# Allegro board TNR_REV00_150306.brd (continued)
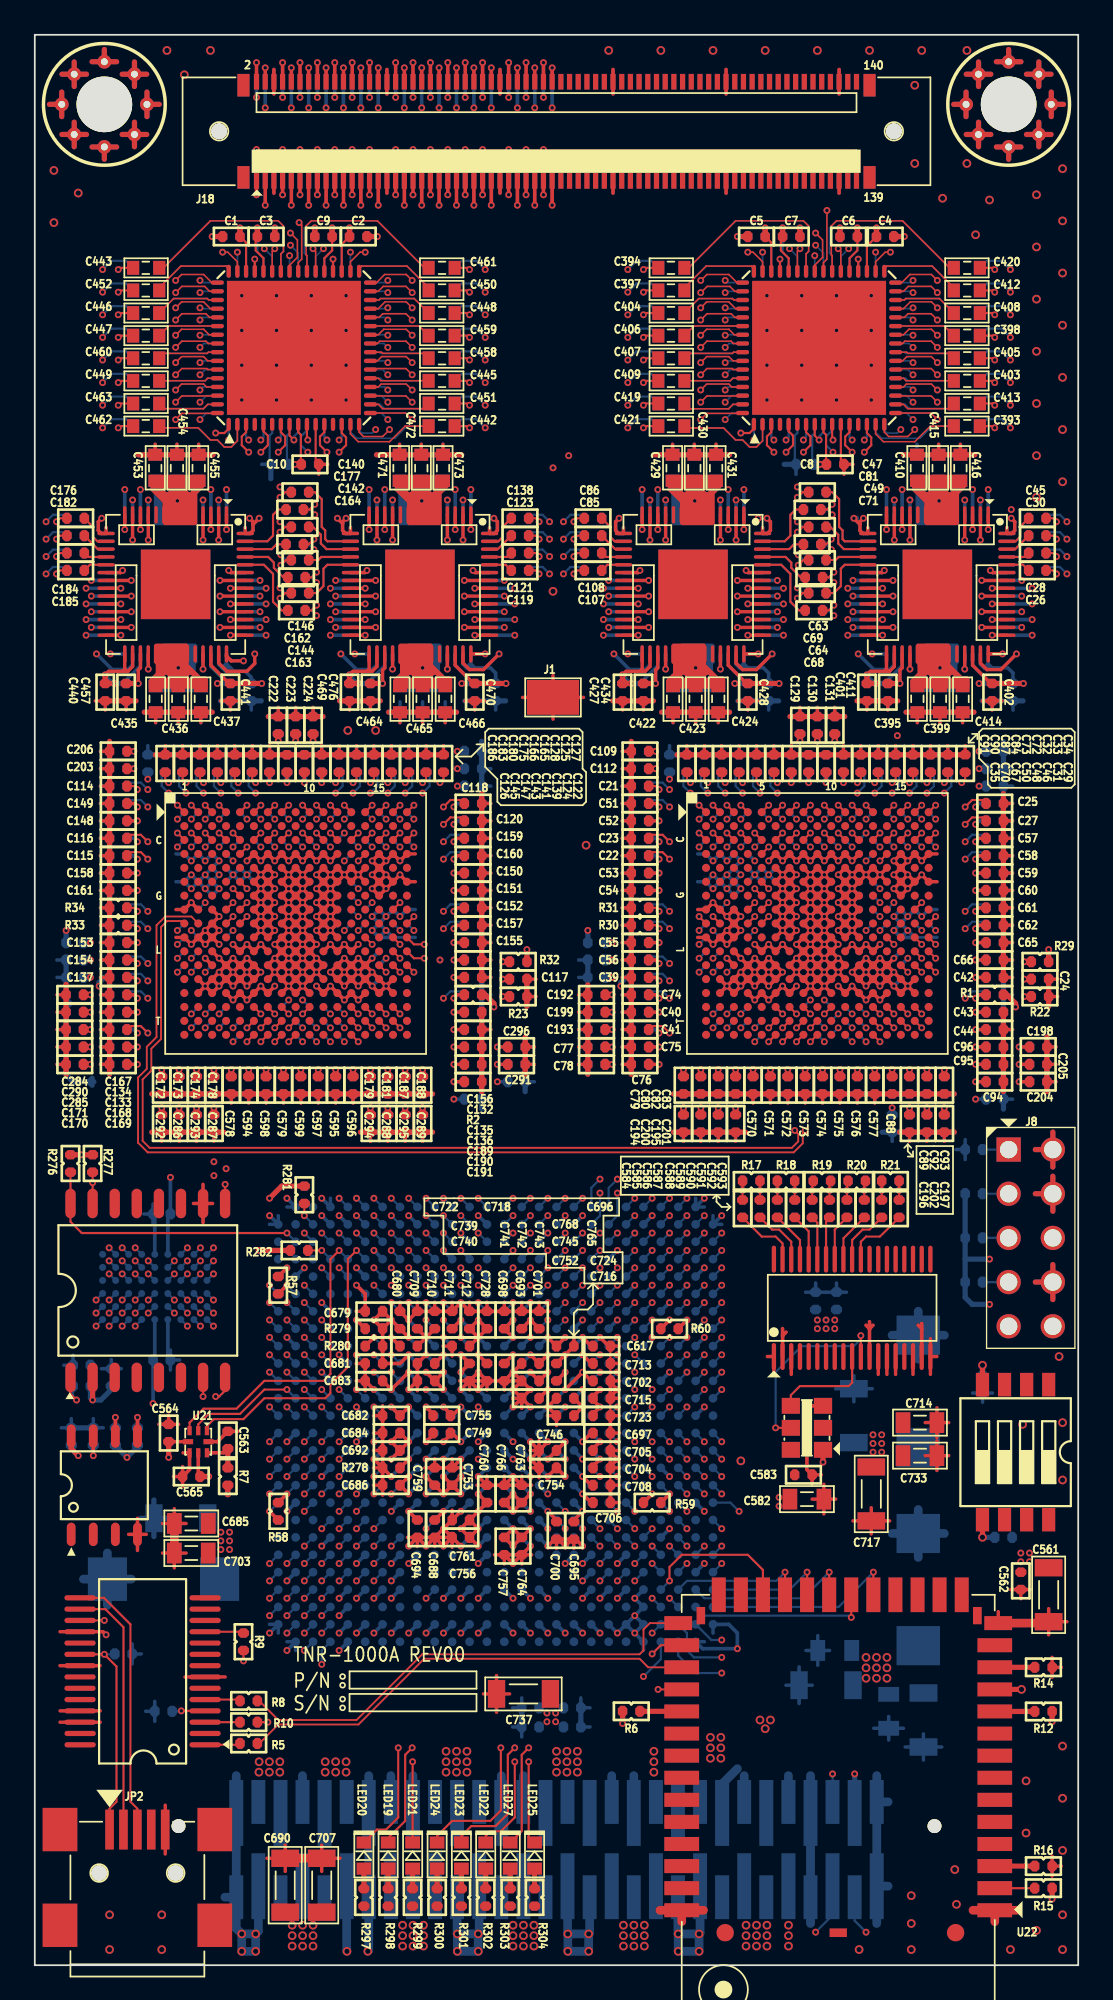
[diagram p0: board, top side]
## Routing (per net, layer and track width the routed paths; a pad name or vN(x,y) marks a point on that pad's centre or on a via; arc(x,y) is an arc through that point) (continued)
  BOTTOM w0.125: U88.W6 v1(34.5,25.1)
  BOTTOM w0.21: U19.28 v1(43.05,76.47)
HV8_CK: length 63.2
  6-IN w0.095: v1(33.5,25.1) 34,25.6 34,38.2 33.6,38.6 33.4,38.6 33.1,38.9 33.1,42.4 33.95,43.25 33.95,46.95 34.9,47.9 34.9,69.7 36.5,71.3 44.05,71.3 v1(48.15,75.4)
  BOTTOM w0.125: U88.W7 v1(33.5,25.1)
  BOTTOM w0.2: U20.42 v1(48.15,75.4)
HV8_CW: length 65.7
  6-IN w0.095: v1(32.5,25.1) 33,25.6 33,38.2 32.6,38.6 32.4,38.6 32,39 32,42.3 32.9,43.2 32.9,46.7 34.33,48.13 34.33,69.93 36.27,71.87 43.82,71.87 v1(47.35,75.4)
  BOTTOM w0.125: U88.W8 v1(32.5,25.1)
  BOTTOM w0.2: v1(47.35,75.4) 48.25,74.5 49.15,74.5 49.42,74.78 U20.41
HV8_IN1_0: length 89.7
  11-IN w0.095: v1(31.5,25.1) 33,26.6 41.9,26.6 42.6,27.3 47.52,27.3 51.5,31.28 51.5,45.78 55.02,49.3 56.42,49.3 57.3,50.18 57.3,75.24 55.7,76.84 55.7,80.1 55.23,80.57 52.17,80.57 50.4,78.8 50.4,76.8 49.4,75.8 47.41,75.8 46.74,76.47 v1(46.75,76.47)
  BOTTOM w0.125: U88.W9 v1(31.5,25.1)
  BOTTOM w0.21: U20.43 v1(46.75,76.47)
HV8_IN1_1: length 91.2
  11-IN w0.095: v1(47.05,76.92) 47.88,76.1 49.3,76.1 50.2,77 50.2,78.88 52.08,80.77 55.32,80.77 55.9,80.18 55.9,76.92 57.5,75.32 57.5,50.1 56.5,49.1 55.1,49.1 51.8,45.8 51.8,31.2 46.4,25.8 41,25.8 40.9,25.7 32.5,25.7 32,25.2 32,25 31.6,24.6 31,24.6 v1(30.5,25.1)
  BOTTOM w0.125: U88.W10 v1(30.5,25.1)
  BOTTOM w0.21: 47.9,76.92 v1(47.05,76.92)
HV8_IN2_0: length 84.5
  11-IN w0.095: v1(46.75,77.38) 47.27,77.38 47.9,78 47.9,79.8 49.07,80.97 55.4,80.97 56.1,80.27 56.1,77.01 57.7,75.41 57.7,50.01 56.59,48.9 55.19,48.9 52.1,45.81 52.1,31.11 46.49,25.5 38.9,25.5 v1(37.5,24.1)
  BOTTOM w0.125: U88.Y3 v1(37.5,24.1)
  BOTTOM w0.21: U20.45 v1(46.75,77.38)
HV8_IN2_1: length 87.9
  11-IN w0.095: v1(35.5,25.1) 36,24.6 36,24 36.3,23.7 37.7,23.7 38,24 38,24.2 38.5,24.7 39.7,24.7 39.8,24.8 46.2,24.8 52.4,31 52.4,45.83 55.27,48.7 56.67,48.7 57.9,49.93 57.9,76.6 57.6,76.9 57.3,76.9 56.8,77.4 56.6,77.4 56.3,77.7 56.3,80.4 55.53,81.17 48.97,81.17 47.7,79.9 47.7,78.25 47.27,77.83 v1(47.05,77.83)
  BOTTOM w0.125: U88.Y5 v1(35.5,25.1)
  BOTTOM w0.21: U20.46 v1(47.05,77.83)
HV8_IN3_0: length 89.8
  11-IN w0.095: v1(34.5,24.1) 35.1,23.5 38.6,23.5 39,23.9 39,24.2 39.3,24.5 46.3,24.5 52.7,30.9 52.7,45.85 55.35,48.5 56.75,48.5 58.1,49.85 58.1,57.55 58.7,58.15 58.7,78.53 55.86,81.37 48.87,81.37 47.5,80 47.5,78.5 47.27,78.28 v1(46.75,78.28)
  BOTTOM w0.125: U88.Y6 v1(34.5,24.1)
  BOTTOM w0.21: U20.47 v1(46.75,78.28)
HV8_IN3_1: length 96.9
  11-IN w0.095: v1(47.05,78.72) 46.67,78.72 46.35,79.05 46.35,80.85 48.7,83.2 55.03,83.2 59.3,78.93 59.3,57.9 58.7,57.3 58.7,49.6 57,47.9 55.6,47.9 53.6,45.9 53.6,30.6 46.1,23.1 40.5,23.1 39.9,22.5 33.5,22.5 33,23 33,23.6 v1(33.5,24.1)
  BOTTOM w0.125: U88.Y7 v1(33.5,24.1)
  BOTTOM w0.21: 47.9,78.72 v1(47.05,78.72)
HV8_IN4_0: length 95.8
  11-IN w0.095: v1(46.75,79.17) 46.6,79.33 46.6,80.7 48.9,83 54.93,83 59.1,78.83 59.1,57.98 58.5,57.38 58.5,49.68 56.92,48.1 55.52,48.1 53.3,45.88 53.3,30.7 46,23.4 40.42,23.4 39.72,22.7 34.3,22.7 34,23 34,24.3 33.7,24.6 33,24.6 v1(32.5,24.1)
  BOTTOM w0.125: U88.Y8 v1(32.5,24.1)
  BOTTOM w0.21: U20.49 v1(46.75,79.17)
HV8_IN4_1: length 83
  11-IN w0.095: v1(47.05,79.62) 47.05,79.92 48.69,81.57 55.96,81.57 58.9,78.63 58.9,58.07 58.3,57.47 58.3,49.77 56.83,48.3 55.43,48.3 53,45.87 53,30.8 46.3,24.1 v1(39.5,24.1)
  BOTTOM w0.125: U88.AA1 v1(39.5,24.1)
  BOTTOM w0.21: U20.50 v1(47.05,79.62)
HV8_IN5_0: length 70.4
  4-IN w0.095: v1(56.75,79.62) 56.73,79.62 56.3,79.2 56.3,76.8 57.4,75.7 57.4,73.5 56.3,72.4 56.3,60.61 55,59.31 55,49.31 51.1,45.41 51.1,28.51 47.09,24.5 38.9,24.5 v1(38.5,24.1)
  BOTTOM w0.125: U88.AA2 v1(38.5,24.1)
  BOTTOM w0.21: U20.21 v1(56.75,79.62)
HV8_IN5_1: length 74.6
  4-IN w0.095: v1(57.35,79.17) 57.35,79.75 57.1,80 56.4,80 56.1,79.7 56.1,76.72 57.1,75.72 57.1,74.58 56.1,73.58 56.1,60.7 54.8,59.4 54.8,49.4 50.9,45.5 50.9,28.6 47,24.7 37.1,24.7 v1(36.5,24.1)
  BOTTOM w0.125: U88.AA3 v1(36.5,24.1)
  BOTTOM w0.21: U20.22 v1(57.35,79.17)
HV8_IN6_0: length 77.2
  4-IN w0.095: v1(56.75,78.72) 57.52,78.72 57.8,79 57.8,79.7 57.3,80.2 56.3,80.2 55.9,79.8 55.9,76.63 56.9,75.63 56.9,74.8 55.9,73.8 55.9,60.78 54.6,59.48 54.6,49.48 50.7,45.58 50.7,28.68 47.62,25.6 36.4,25.6 36,25.2 36,24.6 v1(35.5,24.1)
  BOTTOM w0.125: U88.AA4 v1(35.5,24.1)
  BOTTOM w0.21: 55.9,78.72 v1(56.75,78.72)
HV8_IN6_1: length 76.3
  4-IN w0.095: v1(57.35,78.28) 57.42,78.28 58.7,77 58.7,72.8 57.3,71.4 57.3,60.2 56,58.9 56,48.9 52.1,45 52.1,28.1 45.9,21.9 37.5,21.9 36.9,22.5 35.09,22.5 35,22.59 35,22.6 v1(34.5,23.1)
  BOTTOM w0.125: U88.AA5 v1(34.5,23.1)
  BOTTOM w0.21: U20.24 v1(57.35,78.28)
HV8_IN7_0: length 77.9
  4-IN w0.095: v1(32.5,23.1) U88.AA7 34.6,23.6 35,23.2 35,23 35.3,22.7 36.98,22.7 37.58,22.1 45.82,22.1 51.9,28.18 51.9,45.08 55.8,48.98 55.8,58.98 57.1,60.28 57.1,71.6 58.4,72.9 58.4,76.9 57.48,77.83 v1(56.75,77.83)
  BOTTOM w0.125: U88.AA7 v1(32.5,23.1)
  BOTTOM w0.21: U20.25 v1(56.75,77.83)
HV8_IN7_1: length 68.6
  4-IN w0.095: v1(57.35,77.38) 57.42,77.38 58.1,76.7 58.1,73 56.9,71.8 56.9,60.37 55.6,59.07 55.6,49.07 51.7,45.17 51.7,28.27 46.53,23.1 v1(39.5,23.1)
  BOTTOM w0.125: U88.AB1 v1(39.5,23.1)
  BOTTOM w0.21: U20.26 v1(57.35,77.38)
HV8_IN8_0: length 69.8
  4-IN w0.095: v1(56.75,76.92) 57.48,76.92 57.8,76.6 57.8,73.1 56.7,72 56.7,60.45 55.4,59.15 55.4,49.15 51.5,45.25 51.5,28.35 46.65,23.5 37.9,23.5 v1(37.5,23.1)
  BOTTOM w0.125: U88.AB3 v1(37.5,23.1)
  BOTTOM w0.21: 55.9,76.92 v1(56.75,76.92)
HV8_IN8_1: length 70.9
  4-IN w0.095: v1(57.35,76.47) 57.6,76.22 57.6,73.3 56.49,72.19 56.49,60.53 55.2,59.23 55.2,49.23 51.3,45.33 51.3,28.43 46.57,23.7 36.1,23.7 v1(35.5,23.1)
  BOTTOM w0.125: U88.AB4 v1(35.5,23.1)
  BOTTOM w0.21: U20.28 v1(57.35,76.47)
HVN_VAR: length 21.5
  TOP w0.125: C9.1 17.1,98.6 16.65,98.15 U2.37 ; U1.44 43.35,98.15 42.9,98.6 42.9,99.3 C7.1 ; U2.44 13.15,98.15 12.7,98.6 12.7,99.3 C3.1 ; C6.1 47.3,98.6 46.85,98.15 U1.37
  TOP w0.3: C7.1 v1(43,99.9) ; C3.1 v1(12.8,99.9) ; C6.1 v1(47.3,99.9) ; C9.1 v1(17.1,99.9)
  BOTTOM w0.125: U1.44 43.35,98.15 43,98.5 C7.1 ; U1.37 46.85,98.15 47.3,98.6 C6.1 ; U2.44 13.15,98.15 12.8,98.5 C3.1 ; U2.37 16.65,98.15 17.1,98.6 C9.1
  BOTTOM w0.3: C6.1 v1(47.3,99.9) ; C9.1 v1(17.1,99.9) ; C3.1 v1(12.8,99.9) ; C7.1 v1(43,99.9)
  vias: v1(7.6,84.8) v1(8.2,84.2) v1(8.9,84.8) v1(11.9,96) v1(11.9,94) v1(11.9,92) v1(11.9,90) v1(13.9,96) v1(13.9,94) v1(13.9,92) v1(13.9,90) v1(15.9,96) v1(15.9,94) v1(15.9,92) v1(15.9,90) v1(17.9,96) v1(17.9,94) v1(17.9,92) v1(17.9,90) v1(21.55,84.8) v1(22.25,84.2) v1(22.85,84.8) v1(37.35,84.8) v1(37.95,84.2) v1(38.65,84.8) v1(42.1,96) v1(42.1,94) v1(42.1,92) v1(42.1,90) v1(44.1,96) v1(44.1,94) v1(44.1,92) v1(44.1,90) v1(46.1,96) v1(46.1,94) v1(46.1,92) v1(46.1,90) v1(48.1,96) v1(48.1,94) v1(48.1,92) v1(48.1,90) v1(51.3,84.8) v1(52,84.2) v1(52.6,84.8) v2(16.7,11.7) v2(16.7,11.1) v2(17.3,11.7) v2(17.3,11.1) v2(17.9,11.7) v2(17.9,11.1)
HVP_VAR: length 21.4
  TOP w0.125: U1.35 47.85,98.85 C4.1 ; U2.35 17.65,98.95 C2.1 ; U1.46 42.35,99.05 C5.1 ; C1.1 12.15,99.05 U2.46
  TOP w0.3: C1.1 v1(11.8,99.9) ; C4.1 v1(48.4,99.9) ; C2.1 v1(18.1,99.9) ; C5.1 v1(42,99.9)
  BOTTOM w0.125: U1.46 42.35,99.05 C5.1 ; U2.35 17.65,98.95 C2.1 ; C4.1 47.85,98.85 U1.35 ; C1.1 12.15,99.05 U2.46
  BOTTOM w0.3: v1(48.4,99.9) C4.1 ; C2.1 v1(18.1,99.9) ; C1.1 v1(11.8,99.9) ; C5.1 v1(42,99.9)
  vias: v1(7.55,74.1) v1(8.25,74.6) v1(8.95,74.1) v1(21.6,74.1) v1(22.3,74.6) v1(23,74.1) v1(37.3,74.1) v1(38,74.6) v1(38.7,74.1) v1(51.35,74.1) v1(52.05,74.6) v1(52.75,74.1) v2(12.9,11.7) v2(12.89,11.1) v2(13.49,11.7) v2(13.49,11.1) v2(14.09,11.7) v2(14.09,11.1)
INM1: length 3.9
  TOP w0.125: C27.2 54.5,66 53.9,66 v1(53.5,65.6) ; U6.C17 v1(51.8,65.1)
  3-IN w0.095: v1(51.8,65.1) 53,65.1 v1(53.5,65.6)
INM2: length 5.6
  TOP w0.125: v1(53.3,68) 53.5,68.2 C29.2 ; U6.C16 v1(51,65.1)
  3-IN w0.095: v1(53.3,68) 53.1,67.8 53.1,66.4 52.2,65.5 51.4,65.5 v1(51,65.1)
INM3: length 5.4
  TOP w0.125: U6.C15 v1(50.2,65.1) ; v1(52.3,68) 52.5,68.2 C31.2
  11-IN w0.095: v1(52.3,68) 51.8,67.5 51.8,67.3 51.4,66.9 51.4,65.7 51.2,65.5 50.8,65.5 50.4,65.1 v1(50.2,65.1)
INM4: length 5.3
  TOP w0.125: v1(51.3,68) 51.5,68.2 C46.2 ; U6.C14 v1(49.4,65.1)
  11-IN w0.095: v1(51.3,68) 50.8,67.5 50.8,67.2 50.6,67 50.6,65.7 50.4,65.5 49.8,65.5 v1(49.4,65.1)
INM5: length 5.1
  TOP w0.125: C48.2 50.5,68.2 v1(50.3,68) ; U6.C13 v1(48.6,65.1)
  11-IN w0.095: v1(50.3,68) 49.8,67.5 49.8,66.5 49.6,66.3 49.2,66.3 49,66.1 49,65.5 v1(48.6,65.1)
INM6: length 5.5
  TOP w0.125: U6.C12 v1(47,65.1) ; v1(49.3,68) 49.5,68.2 C50.2
  11-IN w0.095: v1(47,65.1) 47.4,65.5 48,65.5 48.7,66.2 48.7,67.4 v1(49.3,68)
INM7: length 5.3
  TOP w0.125: U6.C11 v1(46.2,65.1) ; C67.2 48.5,68.2 v1(48.3,68)
  11-IN w0.095: v1(48.3,68) 47.8,67.5 47.8,67.3 47.4,66.9 47.4,66.5 47.2,66.3 46.8,66.3 46.6,66.1 46.6,65.5 v1(46.2,65.1)
INM8: length 5.3
  TOP w0.125: v1(47.3,68) 47.5,68.2 C70.2 ; U6.C10 v1(45.4,65.1)
  11-IN w0.095: v1(45.4,65.1) 45.8,65.5 45.8,67.1 46.1,67.4 46.7,67.4 v1(47.3,68)
INM9: length 5.2
  TOP w0.125: U6.C8 v1(44.6,65.1) ; v1(42.7,68) 42.5,68.2 C72.2
  11-IN w0.095: v1(42.7,68) 43.3,67.4 43.8,67.4 44.2,67 44.2,65.5 v1(44.6,65.1)
INM10: length 5.3
  TOP w0.125: U6.C7 v1(43.8,65.1) ; v1(41.7,68) 41.5,68.2 C73.2
  11-IN w0.095: v1(41.7,68) 42.2,67.5 42.2,67.3 42.6,66.9 42.6,66.5 42.8,66.3 43.2,66.3 43.4,66.1 43.4,65.5 v1(43.8,65.1)
INM11: length 5.5
  TOP w0.125: v1(40.7,68) 40.5,68.2 C84.2 ; U6.C6 v1(43,65.1)
  11-IN w0.095: v1(43,65.1) 42.4,65.1 41.2,66.3 41.2,67.5 v1(40.7,68)
INM12: length 5.1
  TOP w0.125: C87.2 39.5,68.2 v1(39.7,68) ; U6.C5 v1(41.4,65.1)
  11-IN w0.095: v1(41.4,65.1) 41.4,65.7 40.8,66.3 40.4,66.3 40.2,66.5 40.2,67.5 v1(39.7,68)
INM13: length 5.3
  TOP w0.125: v1(38.7,68) 38.5,68.2 C90.2 ; U6.C4 v1(40.6,65.1)
  11-IN w0.095: v1(40.6,65.1) 40.2,65.5 39.6,65.5 39.4,65.7 39.4,67 39.2,67.2 39.2,67.5 v1(38.7,68)
INM14: length 5.4
  TOP w0.125: U6.C3 v1(39.8,65.1) ; v1(37.7,68) 37.5,68.2 C91.2
  11-IN w0.095: v1(37.7,68) 38.2,67.5 38.2,67.3 38.6,66.9 38.6,65.7 38.8,65.5 39.2,65.5 39.6,65.1 v1(39.8,65.1)
INM15: length 7.5
  TOP w0.125: U6.C2 v1(39,65.1) ; C109.2 v1(35.7,69.8)
  3-IN w0.095: v1(35.7,69.8) 37,68.5 37,66.3 37.8,65.5 38.6,65.5 v1(39,65.1)
INM16: length 6.2
  TOP w0.125: C112.2 v1(35.7,68.8) ; U6.C1 v1(38.2,65.1)
  11-IN w0.095: v1(38.2,65.1) 37.1,66.2 37.1,68.3 36.6,68.8 v1(35.7,68.8)
INM17: length 3.9
  TOP w0.125: C120.2 24.5,66 23.9,66 v1(23.5,65.6) ; U8.C17 v1(21.8,65.1)
  3-IN w0.095: v1(23.5,65.6) 23,65.1 v1(21.8,65.1)
INM18: length 5.6
  TOP w0.125: C122.2 23.5,68.2 v1(23.3,68) ; U8.C16 v1(21,65.1)
  3-IN w0.095: v1(21,65.1) 21.4,65.5 22.2,65.5 23.1,66.4 23.1,67.8 v1(23.3,68)
INM19: length 5.4
  TOP w0.125: C124.2 22.5,68.2 v1(22.3,68) ; U8.C15 v1(20.2,65.1)
  11-IN w0.095: v1(22.3,68) 21.8,67.5 21.8,67.3 21.4,66.9 21.4,65.7 21.2,65.5 20.8,65.5 20.4,65.1 v1(20.2,65.1)
INM20: length 5.3
  TOP w0.125: v1(21.3,68) 21.5,68.2 C139.2 ; U8.C14 v1(19.4,65.1)
  11-IN w0.095: v1(19.4,65.1) 19.8,65.5 20.4,65.5 20.6,65.7 20.6,67 20.8,67.2 20.8,67.5 v1(21.3,68)
INM21: length 5.1
  TOP w0.125: U8.C13 v1(18.6,65.1) ; C141.2 20.5,68.2 v1(20.3,68)
  11-IN w0.095: v1(18.6,65.1) 19,65.5 19,66.1 19.2,66.3 19.6,66.3 19.8,66.5 19.8,67.5 v1(20.3,68)
INM22: length 5.5
  TOP w0.125: C143.2 19.5,68.2 v1(19.3,68) ; U8.C12 v1(17,65.1)
  11-IN w0.095: v1(17,65.1) 17.4,65.5 18,65.5 18.7,66.2 18.7,67.4 v1(19.3,68)
INM23: length 5.3
  TOP w0.125: U8.C11 v1(16.2,65.1) ; v1(18.3,68) 18.5,68.2 C147.2
  11-IN w0.095: v1(18.3,68) 17.8,67.5 17.8,67.3 17.4,66.9 17.4,66.5 17.2,66.3 16.8,66.3 16.6,66.1 16.6,65.5 v1(16.2,65.1)
INM24: length 5.3
  TOP w0.125: U8.C10 v1(15.4,65.1) ; v1(17.3,68) 17.5,68.2 C145.2
  11-IN w0.095: v1(15.4,65.1) 15.8,65.5 15.8,67.1 16.1,67.4 16.7,67.4 v1(17.3,68)
INM25: length 5.2
  TOP w0.125: v1(12.7,68) 12.5,68.2 C165.2 ; U8.C8 v1(14.6,65.1)
  11-IN w0.095: v1(12.7,68) 13.3,67.4 13.8,67.4 14.2,67 14.2,65.5 v1(14.6,65.1)
INM26: length 5.3
  TOP w0.125: C166.2 11.5,68.2 v1(11.7,68) ; U8.C7 v1(13.8,65.1)
  11-IN w0.095: v1(13.8,65.1) 13.4,65.5 13.4,66.1 13.2,66.3 12.8,66.3 12.6,66.5 12.6,66.9 12.2,67.3 12.2,67.5 v1(11.7,68)
INM27: length 5.5
  TOP w0.125: v1(10.7,68) 10.5,68.2 C175.2 ; U8.C6 v1(13,65.1)
  11-IN w0.095: v1(10.7,68) 11.2,67.5 11.2,66.3 12.4,65.1 v1(13,65.1)
INM28: length 5.1
  TOP w0.125: U8.C5 v1(11.4,65.1) ; C180.2 9.5,68.2 v1(9.7,68)
  11-IN w0.095: v1(11.4,65.1) 11.4,65.7 10.8,66.3 10.4,66.3 10.2,66.5 10.2,67.5 v1(9.7,68)
INM29: length 5.3
  TOP w0.125: C183.2 8.5,68.2 v1(8.7,68) ; U8.C4 v1(10.6,65.1)
  11-IN w0.095: v1(8.7,68) 9.2,67.5 9.2,67.2 9.4,67 9.4,65.7 9.6,65.5 10.2,65.5 v1(10.6,65.1)
INM30: length 5.4
  TOP w0.125: v1(7.7,68) 7.5,68.2 C186.2 ; U8.C3 v1(9.8,65.1)
  11-IN w0.095: v1(9.8,65.1) 9.6,65.1 9.2,65.5 8.8,65.5 8.6,65.7 8.6,66.9 8.2,67.3 8.2,67.5 v1(7.7,68)
INM31: length 7.5
  TOP w0.125: U8.C2 v1(9,65.1) ; C206.2 v1(5.7,69.8)
  3-IN w0.095: v1(5.7,69.8) 7,68.5 7,66.3 7.8,65.5 8.6,65.5 v1(9,65.1)
INM32: length 6.2
  TOP w0.125: U8.C1 v1(8.2,65.1) ; C203.2 v1(5.7,68.8)
  11-IN w0.095: v1(8.2,65.1) 7.1,66.2 7.1,68.3 6.6,68.8 v1(5.7,68.8)
INM33: length 5.3
  9-IN w0.095: v1(6.5,66.6) 6.5,65.6 7.8,64.3 v1(8.2,64.3)
  BOTTOM w0.125: v1(6.5,66.6) 6.1,67 5.5,67 C213.2 ; U10.C17 v1(8.2,64.3)
INM34: length 6.5
  9-IN w0.095: v1(9,64.3) 9,64.5 8.6,64.9 8.6,65.3 8.4,65.5 7.9,65.5 7.3,66.1 7.3,67.9 7,68.2 v1(6.5,68.2)
  BOTTOM w0.125: U10.C16 v1(9,64.3) ; C215.2 v1(6.5,68.2)
INM35: length 6.5
  9-IN w0.095: v1(9.8,64.3) 9.4,64.7 9.4,66.1 9.2,66.3 8.8,66.3 8.6,66.5 8.6,66.9 8.1,67.4 v1(7.7,67.4)
  BOTTOM w0.125: U10.C15 v1(9.8,64.3) ; C217.2 7.3,68.4 7.3,67.8 v1(7.7,67.4)
INM36: length 6.3
  9-IN w0.095: v1(10.6,64.3) 10.2,64.7 10.2,66.1 10,66.3 9.6,66.3 9.4,66.5 9.4,67 9,67.4 v1(8.7,67.4)
  BOTTOM w0.125: U10.C14 v1(10.6,64.3) ; v1(8.7,67.4) 8.3,67.8 8.3,68.4 C232.2
INM37: length 6.1
  9-IN w0.095: v1(9.7,67.4) 10.2,66.9 10.2,66.5 10.4,66.3 10.8,66.3 11,66.1 11,64.7 v1(11.4,64.3)
  BOTTOM w0.125: C234.2 9.3,68.4 9.3,67.8 v1(9.7,67.4) ; U10.C13 v1(11.4,64.3)
INM38: length 6.2
  9-IN w0.095: v1(13,64.3) 12.9,64.3 11.4,65.8 11.4,66.8 10.8,67.4 v1(10.7,67.4)
  BOTTOM w0.125: C236.2 10.3,68.4 10.3,67.8 v1(10.7,67.4) ; U10.C12 v1(13,64.3)
INM39: length 6.3
  9-IN w0.095: v1(11.7,67.4) 11.7,65.8 12.8,64.7 U10.C11 v1(13.8,64.3)
  BOTTOM w0.125: C251.2 11.3,68.4 11.3,67.8 v1(11.7,67.4) ; U10.C11 v1(13.8,64.3)
INM40: length 6.7
  9-IN w0.095: v1(14.6,64.3) U10.C10 14.2,65.3 14,65.5 12.8,65.5 12.6,65.7 12.6,67.3 v1(12.7,67.4)
  BOTTOM w0.125: v1(12.7,67.4) 12.3,67.8 12.3,68.4 C253.2 ; U10.C10 v1(14.6,64.3)
INM41: length 5.9
  9-IN w0.095: v1(16.2,64.3) 16.6,64.7 16.6,66.1 16.8,66.3 17.2,66.3 17.4,66.5 17.4,67.3 v1(17.3,67.4)
  BOTTOM w0.125: v1(17.3,67.4) 17.7,67.8 17.7,68.4 C258.2 ; U10.C8 v1(16.2,64.3)
INM42: length 5.9
  9-IN w0.095: v1(18.3,67.4) 18.3,66.5 18.1,66.3 17.6,66.3 17.4,66.1 17.4,64.7 v1(17,64.3)
  BOTTOM w0.125: v1(18.3,67.4) 18.7,67.8 18.7,68.4 C259.2 ; U10.C7 v1(17,64.3)
INM43: length 4.9
  9-IN w0.095: v1(17.8,65.1) 18.7,66 18.7,66.8 v1(19.3,67.4)
  BOTTOM w0.125: v1(19.3,67.4) 19.7,67.8 19.7,68.4 C270.2 ; U10.C6 v1(17.8,65.1)
INM44: length 6.1
  9-IN w0.095: v1(20.3,67.4) 19.8,66.9 19.8,66.5 19.6,66.3 19.2,66.3 19,66.1 19,64.7 v1(18.6,64.3)
  BOTTOM w0.125: U10.C5 v1(18.6,64.3) ; v1(20.3,67.4) 20.7,67.8 20.7,68.4 C274.2
INM45: length 6.3
  9-IN w0.095: v1(19.4,64.3) 19.8,64.7 19.8,66.1 20,66.3 20.4,66.3 20.6,66.5 20.6,67 21,67.4 v1(21.3,67.4)
  BOTTOM w0.125: U10.C4 v1(19.4,64.3) ; C277.2 21.7,68.4 21.7,67.8 v1(21.3,67.4)
INM46: length 6.7
  9-IN w0.095: v1(20.2,64.3) 20.6,64.7 20.6,66.1 20.8,66.3 22,66.3 22.2,66.5 22.2,67.3 v1(22.3,67.4)
  BOTTOM w0.125: C278.2 22.7,68.4 22.7,67.8 v1(22.3,67.4) ; U10.C3 v1(20.2,64.3)
INM47: length 8.1
  9-IN w0.095: v1(21,64.3) 21.4,64.7 21.4,65.3 21.6,65.5 22,65.5 22.5,66 22.5,66.8 22.8,67.1 22.8,68.3 v1(24.3,69.8)
  BOTTOM w0.125: U10.C2 v1(21,64.3) ; C298.2 v1(24.3,69.8)
INM48: length 6.5
  9-IN w0.095: v1(21.8,64.3) 22.8,65.3 22.8,66.6 23.8,67.6 23.8,68.3 v1(24.3,68.8)
  BOTTOM w0.125: C299.2 v1(24.3,68.8) ; U10.C1 v1(21.8,64.3)
INM49: length 5.3
  9-IN w0.095: v1(38.2,64.3) 37.8,64.3 36.5,65.6 v1(36.5,66.6)
  BOTTOM w0.125: C306.2 35.5,67 36.1,67 v1(36.5,66.6) ; U11.C17 v1(38.2,64.3)
INM50: length 6.5
  9-IN w0.095: v1(39,64.3) 39,64.5 38.6,64.9 38.6,65.3 38.4,65.5 37.9,65.5 37.3,66.1 37.3,67.9 37,68.2 v1(36.5,68.2)
  BOTTOM w0.125: U11.C16 v1(39,64.3) ; C308.2 v1(36.5,68.2)
INM51: length 6.5
  9-IN w0.095: v1(39.8,64.3) 39.4,64.7 39.4,66.1 39.2,66.3 38.8,66.3 38.6,66.5 38.6,66.9 38.1,67.4 v1(37.7,67.4)
  BOTTOM w0.125: C310.2 37.3,68.4 37.3,67.8 v1(37.7,67.4) ; U11.C15 v1(39.8,64.3)
INM52: length 6.3
  9-IN w0.095: v1(40.6,64.3) 40.2,64.7 40.2,66.1 40,66.3 39.6,66.3 39.4,66.5 39.4,67 39,67.4 v1(38.7,67.4)
  BOTTOM w0.125: v1(38.7,67.4) 38.3,67.8 38.3,68.4 C325.2 ; U11.C14 v1(40.6,64.3)
INM53: length 6.1
  9-IN w0.095: v1(39.7,67.4) 40.2,66.9 40.2,66.5 40.4,66.3 40.8,66.3 41,66.1 41,64.7 v1(41.4,64.3)
  BOTTOM w0.125: C327.2 39.3,68.4 39.3,67.8 v1(39.7,67.4) ; U11.C13 v1(41.4,64.3)
INM54: length 6.2
  9-IN w0.095: v1(40.7,67.4) 40.8,67.4 41.4,66.8 41.4,65.8 42.9,64.3 v1(43,64.3)
  BOTTOM w0.125: v1(40.7,67.4) 40.3,67.8 40.3,68.4 C329.2 ; U11.C12 v1(43,64.3)
INM55: length 6.3
  9-IN w0.095: v1(41.7,67.4) 41.7,65.8 42.8,64.7 U11.C11 v1(43.8,64.3)
  BOTTOM w0.125: v1(41.7,67.4) 41.3,67.8 41.3,68.4 C345.2 ; U11.C11 v1(43.8,64.3)
INM56: length 6.7
  9-IN w0.095: v1(44.6,64.3) U11.C10 44.2,65.3 44,65.5 42.8,65.5 42.6,65.7 42.6,67.3 v1(42.7,67.4)
  BOTTOM w0.125: C350.2 42.3,68.4 42.3,67.8 v1(42.7,67.4) ; U11.C10 v1(44.6,64.3)
INM57: length 5.9
  9-IN w0.095: v1(47.3,67.4) 47.4,67.3 47.4,66.5 47.2,66.3 46.8,66.3 46.6,66.1 46.6,64.7 v1(46.2,64.3)
  BOTTOM w0.125: U11.C8 v1(46.2,64.3) ; v1(47.3,67.4) 47.7,67.8 47.7,68.4 C349.2
INM58: length 5.9
  9-IN w0.095: v1(48.3,67.4) 48.3,66.5 48.1,66.3 47.6,66.3 47.4,66.1 47.4,64.7 v1(47,64.3)
  BOTTOM w0.125: C352.2 48.7,68.4 48.7,67.8 v1(48.3,67.4) ; U11.C7 v1(47,64.3)
INM59: length 4.9
  9-IN w0.095: v1(49.3,67.4) 48.7,66.8 48.7,66 v1(47.8,65.1)
  BOTTOM w0.125: v1(49.3,67.4) 49.7,67.8 49.7,68.4 C354.2 ; U11.C6 v1(47.8,65.1)
INM60: length 6.1
  9-IN w0.095: v1(48.6,64.3) 49,64.7 49,66.1 49.2,66.3 49.6,66.3 49.8,66.5 49.8,66.9 v1(50.3,67.4)
  BOTTOM w0.125: C362.2 50.7,68.4 50.7,67.8 v1(50.3,67.4) ; U11.C5 v1(48.6,64.3)
INM61: length 6.3
  9-IN w0.095: v1(49.4,64.3) 49.8,64.7 49.8,66.1 50,66.3 50.4,66.3 50.6,66.5 50.6,67 51,67.4 v1(51.3,67.4)
  BOTTOM w0.125: U11.C4 v1(49.4,64.3) ; v1(51.3,67.4) 51.7,67.8 51.7,68.4 C369.2
INM62: length 6.7
  9-IN w0.095: v1(50.2,64.3) 50.6,64.7 50.6,66.1 50.8,66.3 52,66.3 52.2,66.5 52.2,67.3 v1(52.3,67.4)
  BOTTOM w0.125: C371.2 52.7,68.4 52.7,67.8 v1(52.3,67.4) ; U11.C3 v1(50.2,64.3)
INM63: length 8.1
  9-IN w0.095: v1(51,64.3) 51.4,64.7 51.4,65.3 51.6,65.5 52,65.5 52.5,66 52.5,66.8 52.8,67.1 52.8,68.3 v1(54.3,69.8)
  BOTTOM w0.125: U11.C2 v1(51,64.3) ; C390.2 v1(54.3,69.8)
INM64: length 6.5
  9-IN w0.095: v1(54.3,68.8) 53.8,68.3 53.8,67.6 52.8,66.6 52.8,65.3 v1(51.8,64.3)
  BOTTOM w0.125: C391.2 v1(54.3,68.8) ; U11.C1 v1(51.8,64.3)
INP1: length 18.8
  TOP w0.125: v1(58.75,80) 58.55,80.2 C26.1 ; U6.A17 v1(51.8,66.7)
  3-IN w0.095: v1(51.8,66.7) 51.92,66.83 51.92,69.03 54,71.1 56.38,71.1 58.65,73.37 58.65,79.9 v1(58.75,80)
INP2: length 20.5
  TOP w0.125: U6.A16 v1(51,66.7) ; v1(58.75,81) 58.55,81.2 C28.1
  3-IN w0.095: v1(58.75,81) 58.45,81 58.05,80.6 58.05,73.62 56.13,71.7 53.6,71.7 50.92,69.03 50.92,66.78 v1(51,66.7)
INP3: length 21.9
  TOP w0.125: v1(58.75,82) 58.55,82.2 C30.1 ; U6.A15 v1(50.2,66.7)
  3-IN w0.095: v1(58.75,82) 58.35,82 56.35,80 56.35,76.65 56.85,76.15 56.85,74.35 54.8,72.3 53.2,72.3 49.92,69.03 49.92,67.17 50.2,66.9 v1(50.2,66.7)
INP4: length 23.1
  TOP w0.125: U6.A14 v1(49.4,66.7) ; v1(58.75,83) 58.55,83.2 C45.1
  3-IN w0.095: v1(49.4,66.7) 48.9,67.2 48.9,69 52.8,72.9 54.53,72.9 54.93,73.3 54.93,75.7 55.75,76.52 55.75,80.4 58.35,83 v1(58.75,83)
INP5: length 23
  TOP w0.125: C47.1 44.15,84.7 v1(43.85,84.4) ; U6.A13 v1(47.8,66.7)
  9-IN w0.095: v1(43.85,84.4) 43.95,84.5 46.2,84.5 46.6,84.1 46.6,82.5 48.1,81 48.1,76.1 47.75,75.75 47.75,74.85 47.1,74.2 47.1,69 47.8,68.3 v1(47.8,66.7)
INP6: length 20.7
  TOP w0.125: v1(43.85,82.4) 44.15,82.7 C49.1 ; U6.A12 v1(47,66.7)
  9-IN w0.095: v1(43.85,82.4) 43.95,82.5 46.1,82.5 47.9,80.7 47.9,76.57 46.8,75.47 46.8,68.8 46.9,68.7 46.9,66.8 v1(47,66.7)
INP7: length 19.3
  TOP w0.125: U6.A11 v1(46.2,66.7) ; v1(43.9,80.5) 44.2,80.8 C63.1
  9-IN w0.095: v1(46.2,66.7) 46.11,66.79 46.11,68.61 46.5,69 46.5,75.6 47.7,76.8 47.7,79.9 47,80.6 44,80.6 v1(43.9,80.5)
INP8: length 16.3
  TOP w0.125: U6.A10 v1(45.4,66.7) ; C64.1 44.15,78.9 v1(43.85,78.6)
  9-IN w0.095: v1(43.85,78.6) 46.15,78.6 46.35,78.4 46.35,77.1 45.95,76.7 45.95,71.15 45.5,70.7 45.5,69 45.89,68.61 45.89,67.19 v1(45.4,66.7)
INP9: length 13.9
  TOP w0.125: U6.A8 v1(44.6,66.7) ; C68.1 45.65,77.9 v1(45.95,78.2)
  9-IN w0.095: v1(45.95,78.2) 45.85,78.2 45.4,77.75 45.4,71.6 44.5,70.7 44.5,69 45,68.5 45,67.1 v1(44.6,66.7)
INP10: length 17.7
  TOP w0.125: U6.A7 v1(43.8,66.7) ; C69.1 45.65,79.8 v1(45.95,80.1)
  9-IN w0.095: v1(45.95,80.1) 43.95,80.1 43.45,79.6 43.45,78.2 44.1,77.55 44.1,71.3 43.6,70.8 43.6,68.9 44,68.5 44,66.9 v1(43.8,66.7)
INP11: length 20.1
  TOP w0.125: v1(45.8,82) 45.5,81.7 C71.1 ; U6.A6 v1(43,66.7)
  9-IN w0.095: v1(45.8,82) 44.05,82 42.25,80.2 42.25,76.68 43.8,75.13 43.8,71.5 43.1,70.8 43.1,66.8 v1(43,66.7)
INP12: length 22.5
  TOP w0.125: U6.A5 v1(42.2,66.7) ; v1(45.85,84) 45.55,83.7 C81.1
  9-IN w0.095: v1(45.85,84) 44.05,84 41.95,81.9 41.95,76.55 43.5,75 43.5,71.7 42.2,70.4 v1(42.2,66.7)
INP13: length 22.9
  TOP w0.125: v1(31,83) 31.2,83.2 C86.1 ; U6.A4 v1(40.6,66.7)
  3-IN w0.095: v1(40.6,66.7) 41.1,67.2 41.1,68.8 36.8,73.1 35.7,73.1 35.1,73.7 35.1,75.5 34.3,76.3 34.3,80.2 31.5,83 v1(31,83)
INP14: length 22.3
  TOP w0.125: v1(31,82) 31.2,82.2 C85.1 ; U6.A3 v1(39.8,66.7)
  3-IN w0.095: v1(31,82) 31.5,82 33.7,79.8 33.7,76.4 32.9,75.6 32.9,74.5 34.9,72.5 36.4,72.5 40.08,68.83 40.08,67.2 39.8,66.92 v1(39.8,66.7)
INP15: length 20
  TOP w0.125: v1(31,81) 31.2,81.2 C108.1 ; U6.A2 v1(39,66.7)
  3-IN w0.095: v1(39,66.7) 39.08,66.78 39.08,68.83 36,71.9 34.67,71.9 32,74.57 32,80.5 31.5,81 v1(31,81)
INP16: length 18.2
  TOP w0.125: U6.A1 v1(38.2,66.7) ; C107.1 31.2,80.2 v1(31,80)
  3-IN w0.095: v1(38.2,66.7) 38.08,66.83 38.08,68.83 35.6,71.3 34.42,71.3 31.4,74.32 31.4,79.55 31,79.95 v1(31,80)
INP17: length 18.9
  TOP w0.125: v1(29,80) 28.8,80.2 C119.1 ; U8.A17 v1(21.8,66.7)
  3-IN w0.095: v1(29,80) 28.9,79.9 28.9,73.62 26.38,71.1 24,71.1 21.93,69.03 21.93,66.83 v1(21.8,66.7)
INP18: length 20.6
  TOP w0.125: U8.A16 v1(21,66.7) ; C121.1 28.8,81.2 v1(29,81)
  3-IN w0.095: v1(21,66.7) 20.93,66.78 20.93,69.03 23.6,71.7 26.13,71.7 28.3,73.87 28.3,80.6 28.7,81 v1(29,81)
INP19: length 22
  TOP w0.125: U8.A15 v1(20.2,66.7) ; C123.1 28.8,82.2 v1(29,82)
  3-IN w0.095: v1(29,82) 28.6,82 26.6,80 26.6,76.4 27.1,75.9 27.1,74.6 24.8,72.3 23.2,72.3 19.93,69.03 19.93,67.17 20.2,66.9 v1(20.2,66.7)
INP20: length 23.2
  TOP w0.125: C138.1 28.8,83.2 v1(29,83) ; U8.A14 v1(19.4,66.7)
  3-IN w0.095: v1(19.4,66.7) 18.9,67.2 18.9,69 22.8,72.9 24.53,72.9 25.18,73.55 25.18,75.7 26,76.52 26,80.4 28.6,83 v1(29,83)
INP21: length 22.8
  TOP w0.125: C140.1 14.4,84.7 v1(14.1,84.4) ; U8.A13 v1(17.8,66.7)
  9-IN w0.095: v1(14.1,84.4) 14.2,84.5 16.2,84.5 16.6,84.1 16.6,82.5 18.1,81 18.1,76.1 18,76 18,75.1 17.1,74.2 17.1,69 17.8,68.3 v1(17.8,66.7)
INP22: length 20.5
  TOP w0.125: C142.1 14.4,82.7 v1(14.1,82.4) ; U8.A12 v1(17,66.7)
  9-IN w0.095: v1(14.1,82.4) 14.2,82.5 16.1,82.5 17.9,80.7 17.9,76.32 16.8,75.22 16.8,68.8 16.9,68.7 16.9,66.8 v1(17,66.7)
INP23: length 19.1
  TOP w0.125: C146.1 14.45,80.8 v1(14.15,80.5) ; U8.A11 v1(16.2,66.7)
  9-IN w0.095: v1(14.15,80.5) 14.25,80.6 17,80.6 17.7,79.9 17.7,76.55 16.5,75.35 16.5,69 16.11,68.61 16.11,66.79 v1(16.2,66.7)
INP24: length 16.4
  TOP w0.125: C144.1 14.4,78.9 v1(14.1,78.6) ; U8.A10 v1(15.4,66.7)
  9-IN w0.095: v1(15.4,66.7) 15.89,67.19 15.89,68.61 15.5,69 15.5,70.7 16.2,71.4 16.2,76.7 16.6,77.1 16.6,78.4 16.4,78.6 v1(14.1,78.6)
INP25: length 14
  TOP w0.125: U8.A8 v1(14.6,66.7) ; v1(16.2,78.2) 15.9,77.9 C163.1
  9-IN w0.095: v1(14.6,66.7) 15,67.1 15,68.5 14.5,69 14.5,70.7 15.8,72 15.8,77.9 16.1,78.2 v1(16.2,78.2)
INP26: length 17.6
  TOP w0.125: v1(16.2,80.1) 15.9,79.8 C162.1 ; U8.A7 v1(13.8,66.7)
  9-IN w0.095: v1(13.8,66.7) 14,66.9 14,68.5 13.6,68.9 13.6,70.8 14.1,71.3 14.1,77.8 13.7,78.2 13.7,79.6 14.2,80.1 v1(16.2,80.1)
INP27: length 20
  TOP w0.125: C164.1 15.75,81.7 v1(16.05,82) ; U8.A6 v1(13,66.7)
  9-IN w0.095: v1(13,66.7) 13.1,66.8 13.1,70.8 13.8,71.5 13.8,75.38 12.5,76.68 12.5,80.2 14.3,82 v1(16.05,82)
INP28: length 22.4
  TOP w0.125: U8.A5 v1(12.2,66.7) ; C177.1 15.8,83.7 v1(16.1,84)
  9-IN w0.095: v1(12.2,66.7) 12.2,70.4 13.5,71.7 13.5,75.25 12.2,76.55 12.2,81.9 14.3,84 v1(16.1,84)
INP29: length 22.6
  TOP w0.125: U8.A4 v1(10.6,66.7) ; v1(1.25,83) 1.45,83.2 C176.1
  3-IN w0.095: v1(10.6,66.7) 11.1,67.2 11.1,68.8 6.8,73.1 5.8,73.1 5.4,73.5 5.4,75.4 4.3,76.5 4.3,80.2 1.5,83 v1(1.25,83)
